# KiCad board endeavour2.kicad_pcb (continued)
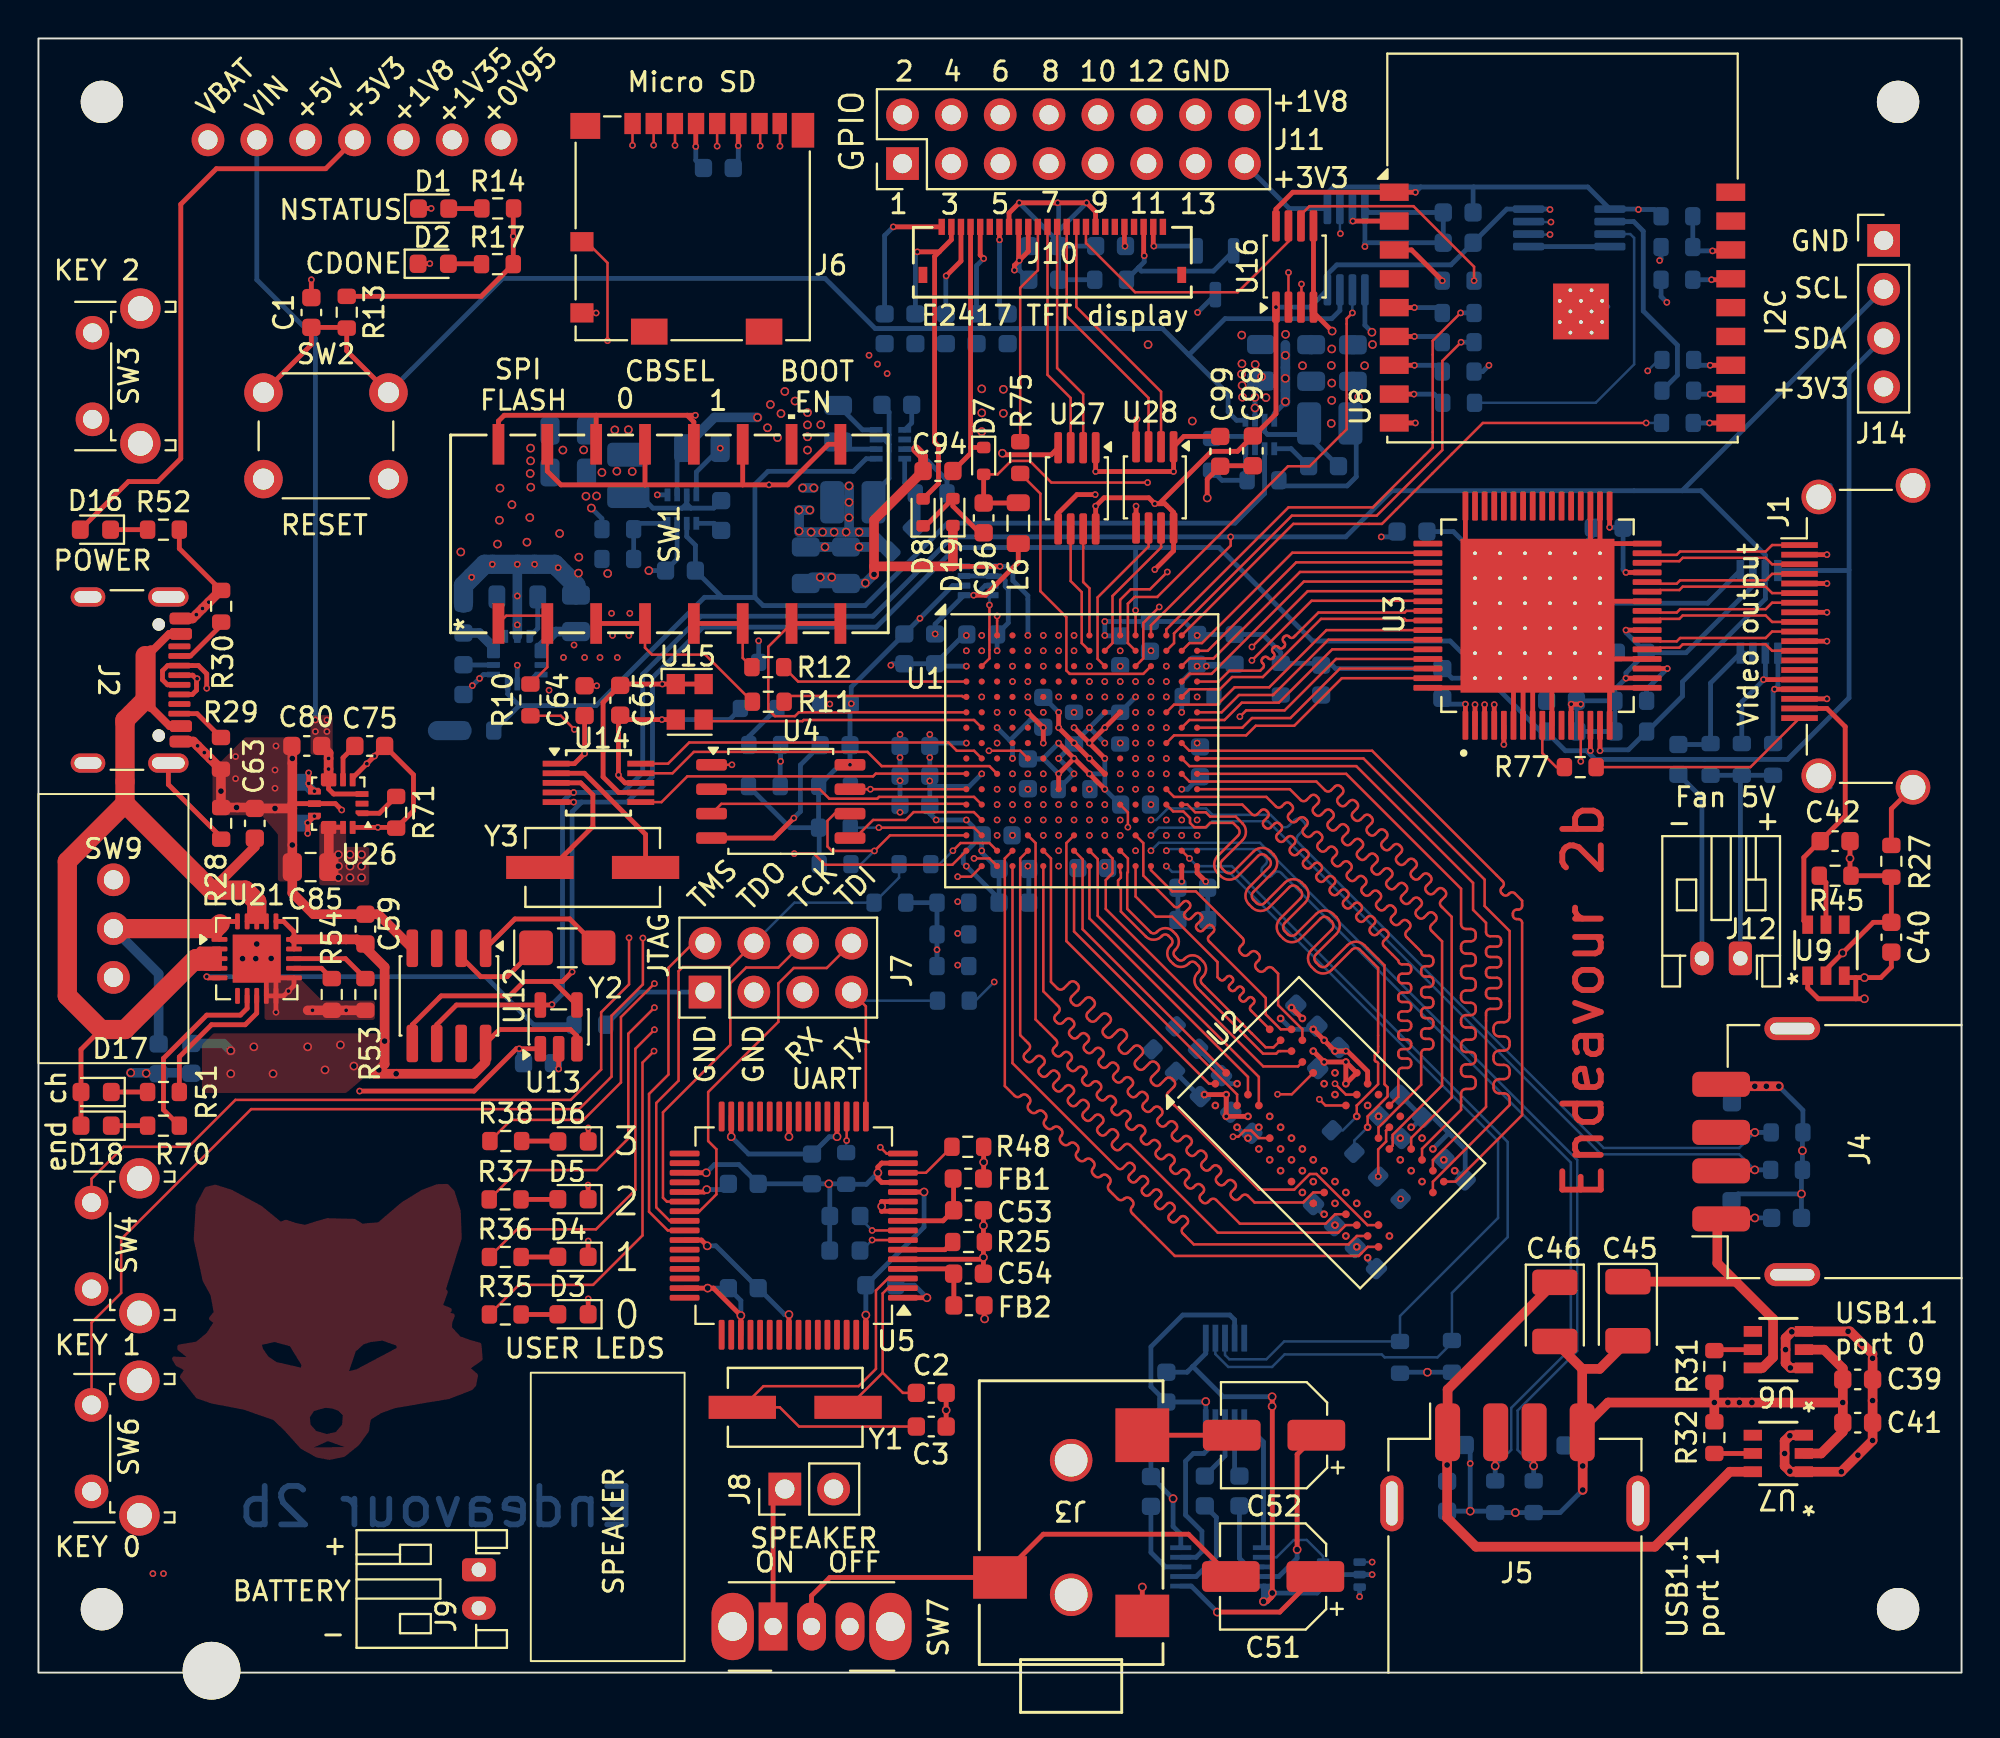
[diagram p0: board, top side]
## Routing (per net, layer and track width the routed paths; a pad name or vN(x,y) marks a point on that pad's centre or on a via; arc(x,y) is an arc through that point) (continued)
+1V8: length 122.3
  Top w0.25: SW1.14 29,65.4 ; 29,65.4 33.73,65.4 ; 29,65.4 24.22,65.4 23.92,65.1 SW1.16 ; 33.73,65.4 34.08,65.05 SW1.12 ; 33.73,65.4 v1(34.16,65.4) ; U5.12 v2(46.05,25) ; U14.7 30.17,45.78 29.36,46.59 29.36,50.46 C65.1 30.32,51.42 v1(32.44,51.42) U15.1 U15.4 ; v1(52.25,48.35) v1(52.25,49.15) v1(51.45,49.95) ; U27.8 v1(54.97,60.67) 55.41,61.11 57.74,61.11 v1(58.05,60.8) 58.28,60.8 ; 58.28,60.8 61,63.52 62.35,63.52 C98.2 63.2,64.32 64.35,65.47 v1(64.35,71.02) ; 58.28,60.8 58.57,60.8 59.03,60.35 U28.8 59.03,58.35 v1(58.05,57.37) ; R14.1 24.7,76.03 24.69,76.02 v1(24.69,74.71) R17.1 23.02,71.58 R13.1 ; v2(34.75,25.12) 34.63,25 U5.37 ; U5.64 v2(43.02,18.6)
  Bottom w0.25: 50.51,48.49 51.57,49.55 51.85,49.55 ; 50.51,48.49 50.65,48.35 v1(50.65,47.55) ; 50.51,48.49 v1(49.85,49.15) ; v2(34.75,25.12) 35.57,25.12 C57.1 ; R6.1 40.6,43.91 R8.1 ; v1(78.6,76.1) 78.57,76.12 U31.8 76.35,76.12 C101.1 73.45,73.22 67.51,73.22 67.03,72.74 U24.8 66.12,71.02 v1(64.35,71.02) ; v1(52.25,48.35) v1(52.25,49.15) 51.85,49.55 ; v2(46.05,25) 46.05,23.17 C58.1 v2(43.03,18.6) ; R68.2 29.3,60.02 v2(28.75,60.57) ; R8.1 40.56,46.11 R7.1 41.67,47.22 v1(42.2,47.22) C5.1 42.2,50.31 R16.1 v1(42.26,50.4) 42.26,51.26 C11.1 v1(45.84,54.84) 47.54,56.54 U17.6 ; R8.1 39.08,43.95 R9.1 ; 51.85,49.55 v1(51.45,49.95)
  vias: v1(49.85,45.15) v1(52.25,52.35) v1(52.25,46.75) v1(53.05,50.75) v1(54.65,51.55) v1(56.25,52.35) v1(56.25,49.15) v1(56.25,46.75) v2(28.35,63.6) v2(28.47,61.19) v2(29.02,61.2) v2(29.3,62.42) v2(29.97,64.64) v2(30.08,62.49) v2(30.67,64.65) v2(30.88,62.47)
+1V35: length 180
  Top w0.25: v1(62.89,28.93) v1(61.76,28.93) v1(61.76,30.07) v1(60.63,30.07) ; U2.H9 69.12,31.27 68.06,32.33 v1(67.99,32.33) v1(67.42,32.33) v1(66.85,32.89) v1(66.29,33.46)
  In3.Cu w0.5: 52.6,5.8 35.35,5.8 34.7,5.15 25.8,5.15 24.98,4.33 21.52,4.33 20.7,5.15 v1(5.95,5.15)
  In4.Cu w0.5: 21.84,79.77 19.72,81.89 7.77,81.89 1.15,75.27 1.15,8.1 4.1,5.15 v1(5.95,5.15) v1(6.5,5.15)
  Bottom w0.25: C17.1 C18.1 ; C17.1 62.1,52.35 v1(60.25,52.35) 59.47,51.57 R39.1 59.45,50.72 v1(59.45,49.95) ; C17.1 62.45,52.45 ; C17.1 62.28,52.37 ; C28.1 60.39,29.96 R40.1 ; R66.2 64.79,61.72 68.05,61.72 68.53,62.2 68.53,64.67 L2.2 ; C16.1 59.75,45.95 v1(59.45,45.95) ; v1(67.42,32.33) v1(66.85,32.89) v1(66.29,33.46) 65.16,33.46 v1(64.59,34.03) ; C13.1 C15.1 ; v1(60.63,30.07) v1(61.76,30.07) v1(61.76,28.93) v1(62.89,28.93) ; U23.6 v1(68.7,3.95)
  Bottom w1: 68.35,67.17 68.35,67.16
  vias: v1(51.45,41.95) v1(52.25,44.35) v1(53.05,42.75) v1(53.85,45.15) v1(54.65,43.55) v1(57.05,46.75) v1(57.85,49.15) v1(58.65,47.55) v1(60.73,52.35) v1(63.46,27.24) v1(65.16,26.67) v1(66.29,25.54) v1(67.42,30.07) v1(67.42,23.28) v1(68.55,22.15) v1(69.68,28.93) v1(71.95,27.8) v1(73.08,26.67) v2(65.73,67.98) v2(67.23,67.99) v2(67.25,67.07) v2(67.25,66.17) v2(67.22,64.97) v2(68.65,66.35) v2(68.96,67.98)
+3V3: length 159.9
  Top w0.25: v1(80.2,50.37) v1(79.7,50.37) U3.12 ; U3.23 v1(82.55,54.22) ; 49.18,19.1 49.18,18.42 v2(49.2,18.4) ; U3.29 v1(82.55,57.22) ; v1(48.63,56.04) 49.24,56.04 50.95,57.75 L6.1 ; U27.1 v1(54.97,62.47) v1(59.03,62.47) U28.1 59.56,64.3 C99.2 ; U5.56 v2(39.03,18.62) ; U5.42 34.47,22.5 v2(34.78,22.2) ; v1(51,73.45) 50.97,73.48 J10.9 ; v1(51,73.45) 50.75,73.2 v1(50.75,72.95) ; v1(51,73.45) 51.47,73.92 J10.10 ; U5.31 v2(36.03,27.87) ; v1(34.18,79.38) 34.18,80.56 J6.4 ; D16.2 4.67,61.95 6.2,61.95 7.4,63.15 7.4,76.37 9.25,78.22 14.94,78.22 J13.4 ; v1(71.6,77) U8.1 65.22,77 64.35,76.12 U16.8 ; U14.1 27.87,47.28 v1(28.4,47.81) C64.1 ; 81.7,60.67 v1(81.7,59.57) 81.7,59.52 ; U3.1 v1(74.2,50.37) ; U1.T15 v1(59.45,41.15) ; U3.18 v1(82.55,51.72) ; FB1.2 49.15,25.71 v2(49.15,26.55) R48.1 ; U5.20 v2(41.53,27.87)
  Bottom w0.25: v1(75.43,68) 75.1,67.67 R59.1 ; 71.32,77.27 71.88,77.27 ; 71.32,77.27 67.34,77.27 67.03,76.96 U24.1 65.05,76.15 J11.15 ; 71.32,77.27 v1(71.6,77) 71.88,77.27 ; 71.88,77.27 74.62,77.27 ; 51,72.95 C92.2 ; 51,72.95 v1(50.75,72.95) ; 51,72.95 v1(51,73.45) 51,73.7 C93.2 ; v2(39.03,18.62) 38.8,18.62 C56.1 35.22,22.2 v2(34.78,22.2) ; 74.62,77.27 80.56,77.27 U31.1 83.18,76.12 v1(83.2,76.1) 84.03,76.1 R58.1 ; 74.62,77.27 74.6,77.25 C100.1 ; R23.2 46.72,40.05 v1(46.72,37.6) 46.72,36.75 ; v1(81.7,59.57) 82.38,59.57 C33.1 82.4,57.37 v1(82.55,57.22) ; C32.1 85.68,53.05 89.15,56.52 U25.2 ; C32.1 82.55,54.1 v1(82.55,54.22) ; C32.1 82.55,52 v1(82.55,51.72) 81.97,51.15 R5.2 ; v1(46.62,54.02) 46.62,54.53 U17.5 v1(48.63,56.04) 48.73,56.04 49.23,56.54 U17.3 ; C34.1 R5.2 ; R5.2 R50.1 R49.1 ; C66.1 34.18,78.66 v1(34.18,79.38) ; v2(41.53,27.87) 41.12,27.87 C55.1 36.93,26.97 v2(36.03,27.87) ; C35.1 73.3,50.37 v1(74.2,50.37) ; R47.1 70.85,15.62 R46.1 ; 80,48.95 80,50.17 v1(80.2,50.37) ; C20.1 C23.1 ; C36.1 70.38,59.07 v1(69.82,59.07)
  Bottom w0.5: C81.1 26.9,54.15 26.14,53.39 U22.11
  vias: v1(27.3,52.8) v1(27.85,53.45) v1(28.4,52.8) v1(29.2,52.8) v1(29.8,55.1) v1(29.85,53.95) v1(30.1,52.8) v1(30.7,53.95) v1(30.75,55.1) v1(50.65,43.55) v1(57.85,53.15) v1(58.65,51.55) v1(58.65,43.55) v2(72.22,15.62)
+5V: length 299.4
  Top w0.25: v2(94.95,35.05) 94.5,35.05 ; 94.5,35.05 94.5,36.15 ; 94.5,35.05 92.55,35.05 92,35.6 U9.1 ; 94.5,36.15 94,36.15 U9.3 ; 94.5,36.15 v2(94.95,36.15) 95.8,36.15 96.35,36.7 C40.1 ; v1(16.7,30.25) 22.65,30.25 24.85,32.45 v1(25,32.45) U13.1 ; 95.38,16.57 v2(95.38,16.35) ; U26.13 U26.11 ; v2(64.15,14.35) 64.16,14.34 v2(64.16,4.14) ; v2(63.7,3.7) 63.9,3.7 64.15,3.95 ; 91.1,12.35 v2(91.07,12.32) ; U6.3 91.2,17.75 v2(91.18,17.72)
  Top w0.5: 95.38,16.57 v2(94.82,17.12) 94.2,17.75 v2(94.1,17.75) U6.3 ; v2(95.38,16.35) C39.2 v2(95.38,14.15) C41.2 v2(95.38,12.07) v2(94.61,11.31) v2(93.75,10.45) U7.1 91.1,10.45 v2(91.07,10.47) 90.8,10.75 v2(90.8,11.4) 90.8,12.05 v2(91.07,12.32) ; U7.3 91.1,12.35 ; v2(91.18,17.72) 90.85,17.4 v2(90.85,16.8) 90.85,16.1 v2(91.1,15.85) U6.1 ; U26.11 15.1,43.95 C85.1
  In4.Cu w0.25: v1(16.7,30.25) 8.76,30.25 ; 8.91,28.35 8.76,28.2
  In4.Cu w0.5: 13.8,40.95 13.8,37.55 8.76,32.51 8.76,32.45 ; 13.8,40.95 14.8,41.95 v2(15.6,41.95) v2(16.2,41.95) v2(16.8,41.95) ; 13.8,40.95 11.2,43.55 11.2,48.1 9.85,49.45 9.85,75.4 14.22,79.77 ; 15.2,42.55 v2(15.6,42.55) v2(16.2,42.55) v2(16.8,42.55) v2(16.8,41.95) ; 65,4.95 63.75,3.7 v2(63.7,3.7) ; 15,41.35 v2(15.6,41.35) v2(16.2,41.35) v2(16.8,41.35) v2(16.8,41.95)
  In4.Cu w1: v2(94.95,35.05) v2(94.95,36.15) ; v2(94.95,35.05) 94.95,10.95 86.75,2.75 67.2,2.75 63.3,6.65 10.06,6.65 8.76,7.95 8.76,32.45 ; v2(94.95,35.05) 90.6,35.05 J12.1
  Bottom w0.25: 60.03,15.92 60.7,16.6 U10.1 ; 60.03,15.92 59.72,15.62 C49.2 ; 60.03,15.92 61.6,14.35 v2(64.15,14.35) v2(64.15,13.85) ; 63.72,3.7 v2(63.7,3.7) U11.10 ; U11.10 63.8,4.5 v2(64.16,4.14) 66.49,4.14 U23.1 ; U11.10 63.7,4.35 64.03,4.01 ; R80.1 R79.1 ; R79.1 R78.1 ; R79.1 88.5,46.6 J12.1 88.53,37.17 ; C70.2 25,31.92 v1(25,32.45)
  Bottom w0.5: 63.72,3.7 v2(64.16,4.14)
GND: length 540.1
  Top w0.25: 12.35,36.14 U21.11 13.29,35.74 v1(13,35.45) 12.75,35.2 U21.10 ; 12.35,36.14 U21.21 ; 12.35,36.14 U21.10 ; U3.17 81.7,51.22 ; 81.7,51.22 U3.16 ; 81.7,51.22 U3.65 ; v1(28.59,19.44) 28.59,18.65 D3.1 ; J7.1 34.65,35.4 ; v1(60.7,41.15) 60.25,41.6 U1.T16 ; C42.2 v2(94.2,42.35) 94.2,41.5 R45.2 96.28,41.45 R27.1 C40.2 95.41,39.02 v2(93.82,37.43) 92.95,36.57 U9.2 ; 81.2,60.67 U3.65 ; U3.65 80.7,58.72 80.7,60.67 ; U3.65 81.7,58.72 U3.32 ; R52.2 7.33,58.46 R30.2 ; J1.2 v1(93,58.15) ; 31.54,61.78 27.17,61.78 26.46,62.49 SW1.15 ; 31.54,61.78 36.62,61.78 ; 31.54,61.78 SW1.13 ; U4.4 38.24,43.41 v1(39.28,44.45) ; J1.8 v1(93,55.15) ; U3.6 76.7,51.12 U3.65 ; U26.4 16.34,46.54 v1(17.08,47.27) v1(17.47,47.67) C75.2 19.5,46.7 19.5,44.82 R71.1 18.56,43.96 v1(17.65,43.96) U26.14 ; 28.26,70.72 29,70.72 v1(29,70.72) ; U3.20 81.5,52.72 U3.65 ; U21.10 v1(12.35,34.35) ; U21.10 U21.9 11.85,36.64 U21.21 ; J1.5 v1(93,56.65) ; 49.14,21.5 v2(49.14,21.6) v2(49.14,23.25) C53.2 ; 49.14,21.5 C54.2 ; 49.14,21.5 U5.5 ; U3.10 78.7,51.62 U3.65 ; v1(67.99,31.76) U2.G9 v1(67.99,30.63) v1(67.99,31.76) ; v1(67.99,31.76) v1(66.85,31.76) v1(66.29,32.33) ; v1(28.59,28.33) 28.59,28.33 D6.1 ; SW1.9 41.07,63.89 38.96,61.78 v1(37.99,61.78) 36.62,61.78 ; U28.5 v1(57.07,60.67) ; U13.2 v1(27.05,31.4) ; U21.21 v2(11.35,37.9) 11.3,37.95 ; U21.21 v2(11.3,37.14) v2(10.61,37.14) 10.6,37.15 ; U21.21 11.36,37.15 v2(12.1,37.15) ; 36.62,61.78 SW1.11 ; 66.22,71.14 66.22,70.82 ; v2(60.78,61.1) 60.78,62.07 C99.1 61.47,62.77 C98.1 ; J6.6 36.39,80.57 v1(36.39,79.42) 36.4,79.42 ; U28.4 57.07,65.15 v1(57.12,65.2) ; 30.57,49.8 30.3,49.52 ; U5.25 v2(39.03,27.87) ; v1(28.58,25.36) 28.58,25.36 D5.1 ; U5.47 v2(34.8,20) 35.1,20 v2(36.53,18.57) U5.51 ; U5.1 v2(46.2,19.5) ; 74.2,60.67 74.2,58.72 U3.65 ; D4.1 28.58,22.44 v1(28.59,22.45) ; C64.2 v1(29.03,51.33) ; U5.10 43.85,24 v2(43.85,24.25) 43.85,24.5 U5.11 ; U3.7 77.2,51.62 U3.65 ; U16.5 U16.4 66.3,70.75 v2(67.27,69.78) ; U1.K10 v1(53.85,48.35) v1(53.05,49.15) v1(53.05,49.95) ; v1(50,57.54) 47.55,57.54 ; U3.8 77.7,51.32 U3.65 ; 13.2,45.2 U26.9 15.44,45.2 v1(15.77,44.87) ; U3.26 81.3,55.72 U3.65 ; U27.5 53.03,60.3 54,61.27 v1(54.95,61.27) ; v2(50.12,63.42) 50.2,63.35 52.66,63.35 U27.4 ; J10.8 50.47,75.92 v1(51,76.45) v1(53,76.45) v1(54.5,76.45) 54.97,75.98 J10.17 ; J1.11 v1(93,53.65) ; U3.64 74.2,51.22 ; U15.2 v1(32.42,49.57) 30.48,49.57 C65.2 30.16,49.71 v1(30.16,46.69) 30.16,46.62 30.5,46.28 U14.8 ; v1(65.72,34.03) v1(65.16,34.59) ; C2.2 v2(47.2,13.65) C3.2 ; 81.99,16.61 C45.2 ; C1.2 v1(14.19,72.45) ; 80.3,12.67 80.28,12.7 ; J1.17 v1(93,50.65) ; U5.13 43.85,25.5 43.65,25.7 v2(43.65,26) 43.65,26.3 43.85,26.5 U5.15 ; 87.4,30.5 87.3,30.6 ; U5.35 v2(34.72,26) ; J3.1 v2(57.4,4.45) ; U8.9 v1(71.6,65)
  Top w0.5: C80.2 13.2,48.17 13.2,44.95 ; 13.2,44.95 v2(13.2,43.05) C85.2 13.2,40.55 14.3,39.45 C59.2 17.67,39.45 U12.4 ; 13.2,44.95 v2(12.3,44.95) C63.2 11.2,45 v2(10.3,45) R28.2 ; v2(90.5,30.5) v2(89.85,30.5) v2(89.25,30.5) 87.4,30.5 ; U7.2 92.7,11.4 93.82,12.52 C41.1 v2(93.82,14.05) ; v1(45.63,63.63) 46,63.27 C94.1 43.45,59.95 43.45,57.55 ; 43.45,57.55 v2(43.45,57.12) 43.45,57.1 ; 43.45,57.55 43.46,57.54 47.55,57.54 D19.1 ; C45.2 81.19,15.8 80.28,15.8 ; v2(80.3,10.75) 80.3,11.15 ; 80.3,11.15 v2(80.3,9.5) ; 80.3,11.15 80.3,12.67 ; 80.28,15.8 C46.2 ; 80.28,15.8 80.28,12.7 81.62,14.05 v2(87.15,14.05) ; U6.2 92.85,16.8 93.82,15.82 C39.1 v2(93.82,14.05) ; v2(93.82,14.05) v2(89.1,14.05) v2(88.45,14.05) v2(87.85,14.05) v2(87.15,14.05) ; R32.2 v2(87.15,14.05) ; v2(87.15,14.05) R31.2 ; R53.1 v1(16,34.45) v1(14.25,34.45) 14,34.45 ; J2.A12 8.05,48.43 v1(8.28,48.2) v1(8.62,47.85) v1(8.94,47.54) R29.2 v2(9.49,45.85) 9.49,45.11 9.5,45.1 ; 9.47,56.29 v1(8.86,55.68) v1(8.53,55.35) v1(8.21,55.03) 8.01,54.83 J2.A1
  Bottom w0.25: C15.2 C13.2 49.95,40.25 v1(48.25,41.95) 48.09,42.11 48.09,42.56 C19.2 ; C67.2 42.85,64.64 U18.4 ; v1(73.64,26.11) 73.71,26.11 C24.2 74.19,27.22 73.34,28.07 ; 75.72,8.47 75.78,8.42 ; U3.65 73.5,51.72 C35.2 67.45,52.22 67.28,52.4 C30.2 66.6,52.5 R42.2 64.6,53.05 63.65,54 C17.2 C18.2 59.57,54.67 v1(55.45,54.67) v1(55.45,53.95) 55.47,53.92 C10.2 ; D12.1 88.93,30.5 v2(89.25,30.5) v2(90.5,30.5) 91.75,29.25 R43.2 91.72,28.07 v2(91.72,27.15) R33.2 91.68,26.1 v2(91.68,24.9) ; TH1.1 31.2,35.4 J7.1 ; C76.2 v1(22.56,51.34) v1(22.94,51.71) 23.14,51.91 U22.4 ; v1(54.65,49.15) v1(55.45,48.35) ; v1(54.65,49.15) 55.45,49.95 R4.2 v1(57.05,50.75) ; v1(54.65,49.15) v1(53.85,48.35) ; U3.65 80.85,59.17 C33.2 ; U11.5 59.4,7.2 59,7.6 v2(59,9.05) C50.2 57.85,13.27 C49.1 ; v2(34.8,20) C56.2 36.53,19.35 v2(36.53,18.57) ; 86.72,37.37 J12.2 86.5,45.5 85.28,46.72 ; v1(53.85,48.35) v1(54.65,47.55) ; v1(53.85,48.35) v1(53.05,47.55) v1(53.85,46.75) 53.82,46.75 R3.2 ; v1(53.85,48.35) v1(53.05,49.15) v1(53.05,49.95) 52.28,50.72 C12.2 ; v1(36.39,79.42) 36.39,78.52 C66.2 36.4,78.52 ; 66.55,32.06 v1(66.29,32.33) ; 66.55,32.06 v1(66.85,31.76) ; 66.55,32.06 66.55,31.39 ; v1(71.38,28.37) 71.45,28.37 C29.2 ; v2(74.45,8.4) v1(74.45,10.88) 74.45,11.59 D15.1 ; v2(74.45,8.4) 75.68,8.4 R34.2 v2(76.8,8.32) R44.2 79.12,8.32 v2(80.3,9.5) v2(80.3,10.75) 80.3,10.89 D14.1 ; v2(74.45,8.4) C44.1 ; v1(69.12,21.58) 69.12,21.47 C26.2 ; Q1.2 36.5,50.13 35.94,49.57 v1(32.42,49.57) ; 46.35,46.1 48.4,46.1 v1(49.05,46.75) ; v1(48.25,48.35) 46.5,48.35 C8.2 ; 75.68,8.38 75.72,8.32 ; v1(39.28,44.45) 39.62,44.79 39.62,47.21 C5.2 ; C19.2 49.05,43.55 v1(48.25,44.35) v1(46.68,44.35) 46.35,44.68 v1(46.35,47.6) v1(46.35,48.8) ; C19.2 49.05,43.52 v1(49.05,42.75) 49.05,42.65 49.9,41.8 ; C86.1 C93.1 ; C93.1 53.05,76.4 v1(53,76.45) ; C93.1 C92.1 R72.1 ; C93.1 53.05,74.4 v1(51,76.45) ; C93.1 53.05,75 v1(54.5,76.45) ; U20.4 34.21,62.45 v1(35.45,63.69) ; v1(66.85,23.84) 66.81,23.84 C38.2 ; U17.1 v1(50,57.54) 50.4,57.54 50.67,57.27 50.67,56.8 51.45,56.02 v1(51.45,53.95) ; C29.2 72.52,28.88 73.34,28.07 ; C29.2 70.78,30.07 ; D10.1 41.14,23.74 D11.1 41.15,25.37 v2(41.1,25.42) ; C4.2 46.75,52.35 v1(48.25,52.35) ; C4.2 C11.2 44.4,52.47 v1(44.32,52.4) ; C4.2 48.1,53.95 v1(48.25,53.95) 48.22,53.97 ; v2(41.1,25.42) C55.2 C57.2 36.43,26.42 35.15,26.42 v2(34.72,26) ; v2(41.1,25.42) 41.97,25.42 R18.2 43.05,25.4 v2(43.65,26) ; C34.2 78.43,51.55 U3.65 ; D13.1 88.38,24.9 v2(91.68,24.9) ; U24.5 68.97,70.08 v2(69.34,69.72) ; v1(63.46,28.37) v1(62.89,27.8) v1(62.33,28.37) ; U22.14 25.89,51.91 U22.1 ; U10.4 62.2,18.35 61.95,18.6 59.5,18.6 57.85,16.95 57.85,14.88 C49.1 ; C36.2 73.57,59.35 U3.65 ; v1(62.33,30.63) 61.94,30.63 C28.2 61.52,31.23 R41.2 ; 73.34,28.07 v1(72.51,27.24) ; C58.2 45.55,20.15 v2(46.2,19.5) ; C49.1 60.68,14.07 v2(60.7,14.1) U10.10 ; C32.2 81.22,53.05 U3.65 ; v1(69.35,5.1) U23.5 U23.2 ; C43.1 v2(91.68,24.9) ; 68.97,74.37 C101.2 C100.2 69.18,75.95 U24.4 68.97,74.37 ; 68.97,74.37 v1(68.97,74.17) ; 64.84,66.07 64.26,65.49 U19.4 ; U25.1 86.8,55.62 U3.65 ; U18.7 45.63,63.64 v1(45.63,63.63) 47.25,62.02 47.25,61.34 ; v1(65.72,34.03) v1(65.16,34.59) ; 64.84,69.07 64.85,69.08 ; 81.71,74.17 77.49,74.17 ; v2(31.74,57.32) C87.2 33.21,57.92 U20.7 ; R67.1 61.13,64.3 63.07,64.3 63.26,64.11 U19.7 ; 81.61,71.05 U8.19 ; C20.2 C23.2
  Bottom w0.5: v2(43.45,57.12) v2(43,56.67) 42.98,56.65 C82.2 ; C62.2 7.92,31.2 v2(4.8,31.2) ; U22.9 v1(24.9,54.5) v1(24.9,56) v1(24.9,57.65) ; C82.2 41.6,56.65 41.28,56.97 v2(40.65,56.97) 40.22,56.97 ; C82.2 C77.2 ; 64.84,66.07 v2(64.84,66.11) v2(64.84,67.32) v2(64.84,68.52) 64.84,69.07
  Bottom w1: 68.35,69.07 C78.2 ; C71.2 22.1,56.55 v1(22.53,56.97) 23.2,57.65 v1(23.6,57.65) v1(24.9,57.65) v1(25.8,57.65) 26.85,57.65 v1(27.03,57.47) 27.95,56.55 C81.2 ; 66.17,69.08 C83.2
  vias: v1(10.25,47.65) v1(10.25,46.5) v1(12.35,48.2) v1(12.3,46.95) v1(12.3,46) v1(26.55,51.1) v1(43.19,68.52) v1(43.63,68.06) v1(44.13,67.57) v1(46.35,46.38) v1(49.05,50.75) v1(50.65,51.55) v1(51.45,45.95) v1(53.85,53.15) v1(55.45,41.95) v1(56.25,44.35) v1(57.05,42.75) v1(57.85,45.15) v1(60.25,53.95) v1(60.25,48.35) v1(60.25,44.35) v1(61.2,29.5) v1(64.03,26.67) v1(65.72,26.11) v1(67.99,22.71) v1(69.12,29.5) v1(70.83,24.64) v2(5.6,31.17) v2(13.2,47.55) v2(21.96,58.29) v2(23.87,58.7) v2(24,61.61) v2(23.97,59.94) v2(24.62,60.75) v2(25.4,58.8) v2(25.55,60.08) v2(25.59,63.69) v2(25.59,63.03) v2(25.57,62.37) v2(25.6,61.66) v2(27.1,59.25) v2(27.27,63.59) v2(28.1,58.02) v2(28.08,57.19) v2(29.6,57.17) v2(41.25,56.97) v2(49.05,66.77) v2(49.05,65.52) v2(49.05,64.55) v2(50.18,66.75) v2(50.18,65.5) v2(57.7,69.07) v2(60,65.1) v2(62.57,69.57) v2(64.85,69.61) v2(67.25,68.85) v2(69.37,69.08)
VBAT: length 82.2
  Top w0.25: U13.3 28,33.11 27.66,33.45 23.97,33.45 U12.8 23.25,31.75 ; U21.14 13.29,38.54 12.75,39.07 U21.16
  Top w0.5: 23.25,31.75 22.65,31.15 v2(18.6,31.15) 17.5,31.15 v2(17.7,31.35) 18,31.65 v2(18,32.85) 18,36.7 16.56,38.14 U21.15
  In2.Cu w0.5: J13.1 1.33,72.24 1.33,63.97 4.47,60.82 4.47,45.35 5.72,44.1 5.72,36.62 v2(10,32.35)
  Bottom w0.5: v2(10,32.35) 9.62,32.72 C62.1
  vias: v2(10,31.15) v2(11.2,32.55) v2(12.2,31.15) v2(14,32.55) v2(14.9,31.35) v2(15.7,32.65) v2(16.4,31.55)
VCCIO_EN: length 66.6
  Bottom w0.25: 37.25,55.92 37.25,61.8 37.94,62.48 42.39,62.48 43.04,63.14 U18.1 ; 37.25,55.92 37.68,55.5 42.98,55.5 47.27,59.79 62.22,59.79 63.76,61.33 U19.6 ; 37.25,55.92 35.55,55.92 35.55,55.93 ; 25,50.3 23.7,49 R74.2 ; 25,50.3 29,50.3 34.63,55.93 35.55,55.93 ; 25,50.3 24.4,50.9 U22.3 ; 35.55,55.93 C87.1 34.16,58.64 33.71,59.09 U20.6
VIN: length 50.4
  Top w0.25: U26.3 15.35,45.7 15.09,45.96 U26.6
  Top w0.5: U26.6 v1(15.09,47) v1(15.09,47.55) 15.09,47.84 14.72,48.2
  Bottom w0.25: C68.1 63.26,66.87 v2(63.26,66.33) v2(63.26,65.78) U19.2 ; J13.2 11.36,72.44 14.4,69.4 v1(14.4,49.55) ; C69.1 33.21,63.35 U20.2 ; C67.1 41.95,63.64 U18.2
  Bottom w0.5: C71.1 22.92,54.07 23.66,53.34 U22.6 ; v2(37.39,65.29) 35.15,65.29 C69.1
  Bottom w1: R74.1 20.75,49
  vias: v1(14.4,48.95) v1(15,49.55) v1(15,48.95) v2(37.91,64.75) v2(38.06,65.96) v2(38.43,64.24) v2(38.61,65.49) v2(38.81,66.64) v2(39.34,66.14) v2(39.99,65.54) v2(39.99,64.9) v2(39.99,64.28) v2(39.99,63.59) v2(40.68,64.91) v2(62.58,68.08) v2(62.56,67.54) v2(62.59,66.95) v2(62.61,66.34) v2(63.27,68.04) v2(63.6,67.4) v2(63.83,66.32)
BOOT_EN: length 18
  Top w0.13: U1.F1 39.54,49.95 39.34,49.75 38.3,49.75 37.95,50.1 37.95,53.36 SW1.7
  Top w0.25: SW1.7 SW1.8
CBSEL0: length 9.6
  Top w0.13: U1.E1 48.08,50.75 48.03,50.8 39.07,50.8 38.78,50.5
CBSEL1: length 9.8
  Top w0.13: R12.1 39.5,51.55 U1.D1
CDONE: length 15.6
  In2.Cu w0.13: v1(51.45,46.75) 51.05,47.15 42.97,47.15 42.53,46.71 39.28,46.71 v1(38.59,47.4)
  Bottom w0.25: R9.2 38.57,47.38 v1(38.59,47.4) R15.1
CLK25: length 14.7
  Top w0.13: U1.G2 48.65,49.55 39.79,49.55 39.73,49.49 34.67,49.49 U15.3
CRESET_N: length 128.8
  Top w0.13: v1(49.43,47.95) 51.05,47.95 U1.J5
  Top w0.25: SW2.1 14.19,69.07 C1.1 16,69.97 R13.2 16.03,68.75 SW2.1
  In2.Cu w0.13: SW2.1 20.29,64.49 20.29,57.01 v1(24.9,52.4) 25.08,52.22 36.38,52.22 ; 36.38,52.22 38.37,52.22 41.16,49.43 46.47,49.43 47.95,47.95 v1(49.43,47.95) ; 36.38,52.22 36.38,57.06 v1(32.18,61.26)
  Bottom w0.25: U24.7 67.68,70.85 67.25,70.42 61.7,70.42 59.82,68.54 ; U22.2 v1(24.9,52.4) ; 59.82,68.54 58.45,69.91 43.51,69.91 40.9,72.52 24.14,72.52 SW2.1 ; 59.82,68.54 61.86,66.5 61.86,65.58 62.3,65.14 U19.1 ; U20.1 v1(32.18,61.26)
CRESET_N_3V3: length 51.7
  Top w0.13: U3.13 v1(80.2,47.4)
  In2.Cu w0.13: v1(80.2,47.4) 81.72,47.4 85.21,50.89 85.21,73.06 81.5,76.77 75.15,76.77 73.22,74.85 v1(67.7,74.85)
  Bottom w0.13: U24.2 67.68,74.87 v1(67.7,74.85)
DDR_A0: length 29.5
  In2.Cu w0.13: v1(68.55,24.41) 69.12,24.97 69.12,27.17 70.76,28.81 70.76,35.95 61.19,45.52 59.35,45.52 58.93,45.95 v1(57.85,45.95)
DDR_A1: length 30.6
  In2.Cu w0.13: v1(71.38,26.11) 71.38,26.67 72.32,27.61 72.32,36.38 61.55,47.15 57.45,47.15 v1(57.05,47.55)
DDR_A2: length 31.7
  In2.Cu w0.13: v1(69.12,23.84) 70.25,24.97 70.25,27.84 71.17,28.76 71.17,36.25 61.06,46.36 57.46,46.36 v1(57.05,45.95)
DDR_A3: length 39.3
  Top w0.13: U2.N2 67.43,23.84 66.93,23.35 62.47,23.35 61.24,24.59 arc(61.08,24.65) 60.93,24.59 60.82,24.48 arc(60.67,24.41) 60.52,24.48 60.44,24.55 arc(60.38,24.71) 60.44,24.86 60.55,24.97 arc(60.61,25.12) 60.55,25.28 60.47,25.35 arc(60.32,25.41) 60.17,25.35 60.06,25.24 arc(59.91,25.18) 59.75,25.24 59.68,25.32 arc(59.61,25.47) 59.68,25.62 59.79,25.73 arc(59.85,25.89) 59.79,26.04 59.71,26.12 arc(59.56,26.18) 59.4,26.12 59.29,26 arc(59.14,25.94) 58.99,26 58.91,26.08 arc(58.85,26.23) 58.91,26.39 59.02,26.5 arc(59.09,26.65) 59.02,26.8 58.95,26.88 arc(58.79,26.94) 58.64,26.88 58.53,26.77 arc(58.38,26.71) 58.23,26.77 58.15,26.84 arc(58.09,27) 58.15,27.15 58.26,27.26 arc(58.32,27.41) 58.26,27.57 58.18,27.64 arc(58.03,27.71) 57.88,27.64 57.77,27.53 arc(57.61,27.47) 57.46,27.53 57.38,27.61 arc(57.32,27.76) 57.38,27.91 57.5,28.02 arc(57.56,28.18) 57.5,28.33 57.42,28.41 arc(57.27,28.47) 57.11,28.41 57,28.3 arc(56.85,28.23) 56.7,28.3 56.62,28.37 arc(56.56,28.53) 56.62,28.68 56.73,28.79 arc(56.79,28.94) 56.73,29.09 56.66,29.17 arc(56.5,29.23) 56.35,29.17 56.24,29.06 arc(56.09,29) 55.93,29.06 55.86,29.14 arc(55.79,29.29) 55.86,29.44 55.97,29.55 arc(56.03,29.7) 55.97,29.86 55.89,29.93 arc(55.74,30) 55.59,29.93 55.48,29.82 arc(55.32,29.76) 55.17,29.82 55.09,29.9 arc(55.03,30.05) 55.09,30.21 55.2,30.32 arc(55.27,30.47) 55.2,30.62 55.13,30.7 arc(54.98,30.76) 54.82,30.7 54.71,30.59 arc(54.56,30.52) 54.41,30.59 54.33,30.66 arc(54.27,30.82) 54.33,30.97 54.44,31.08 arc(54.5,31.23) 54.44,31.38 54.36,31.46 arc(54.21,31.52) 54.06,31.46 53.95,31.35 arc(53.8,31.29) 53.64,31.35 53.57,31.43 arc(53.5,31.58) 53.57,31.73 53.68,31.84 arc(53.74,32) 53.68,32.15 53.6,32.22 arc(53.45,32.29) 53.29,32.22 53.18,32.11 arc(53.03,32.05) 52.88,32.11 52.8,32.19 arc(52.74,32.34) 52.8,32.5 52.91,32.61 arc(52.98,32.76) 52.91,32.91 51.85,33.97 51.85,43.15 U1.P5
DDR_A4: length 38.8
  Top w0.13: U2.P8 71.95,27.24 73.97,29.27 73.97,30.1 arc(74.05,30.28) 74.23,30.36 74.48,30.36 arc(74.66,30.43) 74.74,30.62 74.74,30.74 arc(74.66,30.92) 74.48,31 74.23,31 arc(74.05,31.07) 73.97,31.26 73.97,31.38 arc(74.05,31.56) 74.23,31.64 74.48,31.64 arc(74.66,31.71) 74.74,31.9 74.74,32.02 arc(74.66,32.2) 74.48,32.28 74.23,32.28 arc(74.05,32.35) 73.97,32.54 73.97,32.66 arc(74.05,32.84) 74.23,32.92 74.48,32.92 arc(74.66,32.99) 74.74,33.18 74.74,33.3 arc(74.66,33.48) 74.48,33.56 74.23,33.56 arc(74.05,33.63) 73.97,33.82 73.97,33.94 arc(74.05,34.12) 74.23,34.2 74.48,34.2 arc(74.66,34.27) 74.74,34.46 74.74,34.58 arc(74.66,34.76) 74.48,34.84 74.23,34.84 arc(74.05,34.91) 73.97,35.1 73.97,35.22 arc(74.05,35.4) 74.23,35.48 74.48,35.48 arc(74.66,35.55) 74.74,35.74 74.74,35.86 arc(74.66,36.04) 74.48,36.12 74.23,36.12 arc(74.05,36.19) 73.97,36.38 73.97,36.5 arc(74.05,36.68) 74.23,36.76 74.48,36.76 arc(74.66,36.83) 74.74,37.02 74.74,37.14 arc(74.66,37.32) 74.48,37.4 74.23,37.4 arc(74.05,37.47) 73.97,37.66 73.97,37.78 arc(74.05,37.96) 74.23,38.04 74.48,38.04 arc(74.66,38.11) 74.74,38.3 74.74,38.42 arc(74.66,38.6) 74.48,38.68 74.23,38.68 arc(74.05,38.75) 73.97,38.94 73.97,40.77 68,46.75 U1.K16
DDR_A5: length 39.2
  Top w0.13: U1.R5 51.05,42.35 51.05,33.16 51.5,32.71 arc(51.56,32.56) 51.5,32.4 51.29,32.2 arc(51.23,32.05) 51.29,31.89 51.37,31.82 arc(51.52,31.75) 51.68,31.82 51.88,32.02 arc(52.03,32.08) 52.19,32.02 52.26,31.94 arc(52.33,31.79) 52.26,31.64 52.06,31.43 arc(52,31.28) 52.06,31.13 52.13,31.05 arc(52.29,30.99) 52.44,31.05 52.64,31.26 arc(52.8,31.32) 52.95,31.26 53.03,31.18 arc(53.09,31.03) 53.03,30.88 52.82,30.67 arc(52.76,30.52) 52.82,30.37 52.9,30.29 arc(53.05,30.23) 53.2,30.29 53.41,30.49 arc(53.56,30.56) 53.71,30.49 53.79,30.42 arc(53.85,30.26) 53.79,30.11 53.59,29.91 arc(53.52,29.75) 53.59,29.6 53.66,29.53 arc(53.81,29.46) 53.97,29.53 54.17,29.73 arc(54.32,29.79) 54.48,29.73 54.55,29.65 arc(54.62,29.5) 54.55,29.35 54.35,29.14 arc(54.29,28.99) 54.35,28.84 54.43,28.76 arc(54.58,28.7) 54.73,28.76 54.94,28.97 arc(55.09,29.03) 55.24,28.97 55.32,28.89 arc(55.38,28.74) 55.32,28.58 55.11,28.38 arc(55.05,28.23) 55.11,28.07 55.19,28 arc(55.34,27.93) 55.49,28 55.7,28.2 arc(55.85,28.27) 56.01,28.2 56.08,28.13 arc(56.14,27.97) 56.08,27.82 55.88,27.62 arc(55.81,27.46) 55.88,27.31 55.95,27.23 arc(56.11,27.17) 56.26,27.23 56.46,27.44 arc(56.62,27.5) 56.77,27.44 61.32,22.88 67.58,22.88 67.98,23.28 U2.P2
DDR_A6: length 39
  Top w0.13: U2.R8 72.51,26.66 75.27,29.43 75.27,34.31 arc(75.34,34.46) 75.49,34.52 75.84,34.52 arc(75.99,34.59) 76.06,34.74 76.06,34.85 arc(75.99,35) 75.84,35.06 75.49,35.06 arc(75.34,35.13) 75.27,35.28 75.27,35.39 arc(75.34,35.54) 75.49,35.6 75.84,35.6 arc(75.99,35.67) 76.06,35.82 76.06,35.93 arc(75.99,36.08) 75.84,36.14 75.49,36.14 arc(75.34,36.21) 75.27,36.36 75.27,36.47 arc(75.34,36.62) 75.49,36.68 75.84,36.68 arc(75.99,36.75) 76.06,36.9 76.06,37.01 arc(75.99,37.16) 75.84,37.22 75.49,37.22 arc(75.34,37.29) 75.27,37.44 75.27,37.55 arc(75.34,37.7) 75.49,37.76 75.84,37.76 arc(75.99,37.83) 76.06,37.98 76.06,38.09 arc(75.99,38.24) 75.84,38.3 75.49,38.3 arc(75.34,38.37) 75.27,38.52 75.27,39 74.6,39.67 74.6,41.07 68.53,47.15 59.85,47.15 U1.J15
DDR_A7: length 38.2
  Top w0.13: U1.T4 50.65,31.7 56.11,26.24 arc(56.25,26.18) 56.38,26.24 56.61,26.47 arc(56.75,26.52) 56.88,26.47 56.95,26.4 arc(57.01,26.26) 56.95,26.12 56.73,25.9 arc(56.67,25.76) 56.73,25.62 56.8,25.55 arc(56.94,25.49) 57.08,25.55 57.3,25.77 arc(57.44,25.83) 57.58,25.77 57.65,25.7 arc(57.7,25.56) 57.65,25.43 57.42,25.2 arc(57.37,25.06) 57.42,24.93 57.49,24.86 arc(57.63,24.8) 57.77,24.86 57.99,25.08 arc(58.13,25.14) 58.27,25.08 58.34,25.01 arc(58.4,24.87) 58.34,24.73 58.12,24.51 arc(58.06,24.37) 58.12,24.23 58.19,24.16 arc(58.33,24.11) 58.46,24.16 58.69,24.39 arc(58.83,24.44) 58.96,24.39 59.03,24.32 arc(59.09,24.18) 59.03,24.04 58.81,23.82 arc(58.75,23.68) 58.81,23.54 58.88,23.47 arc(59.02,23.41) 59.16,23.47 59.38,23.69 arc(59.52,23.75) 59.66,23.69 59.73,23.62 arc(59.78,23.49) 59.73,23.35 59.5,23.12 arc(59.45,22.99) 59.5,22.85 60.07,22.27 68.12,22.27 68.56,22.71 U2.R2
DDR_A8: length 39
  Top w0.13: U2.T8 73.69,25.54 77.15,29 77.15,39 arc(77.09,39.14) 76.95,39.19 76.87,39.19 arc(76.73,39.25) 76.67,39.39 76.67,39.49 arc(76.73,39.63) 76.87,39.68 76.95,39.68 arc(77.09,39.74) 77.15,39.88 77.15,40.15 76.77,40.53 arc(76.63,40.59) 76.49,40.53 76.43,40.47 arc(76.29,40.41) 76.15,40.47 76.08,40.54 arc(76.03,40.68) 76.08,40.82 76.14,40.88 arc(76.2,41.02) 76.14,41.16 69.35,47.95 59.85,47.95 U1.H15